# Altium PCB WordClock2.PcbDoc (part 1 of 3)
Units mil, origin at the board's own origin, x right, y up, seen from the top; angles counter-clockwise.
Board outline 10494.49 x 10494.49 mil, 2 copper layers (Top Layer, Bottom Layer), stack 61.811 mil thick; 527 components, 268 nets, 1646 pads, 74 vias.
Unrouted connection lines stored in the file: 1.
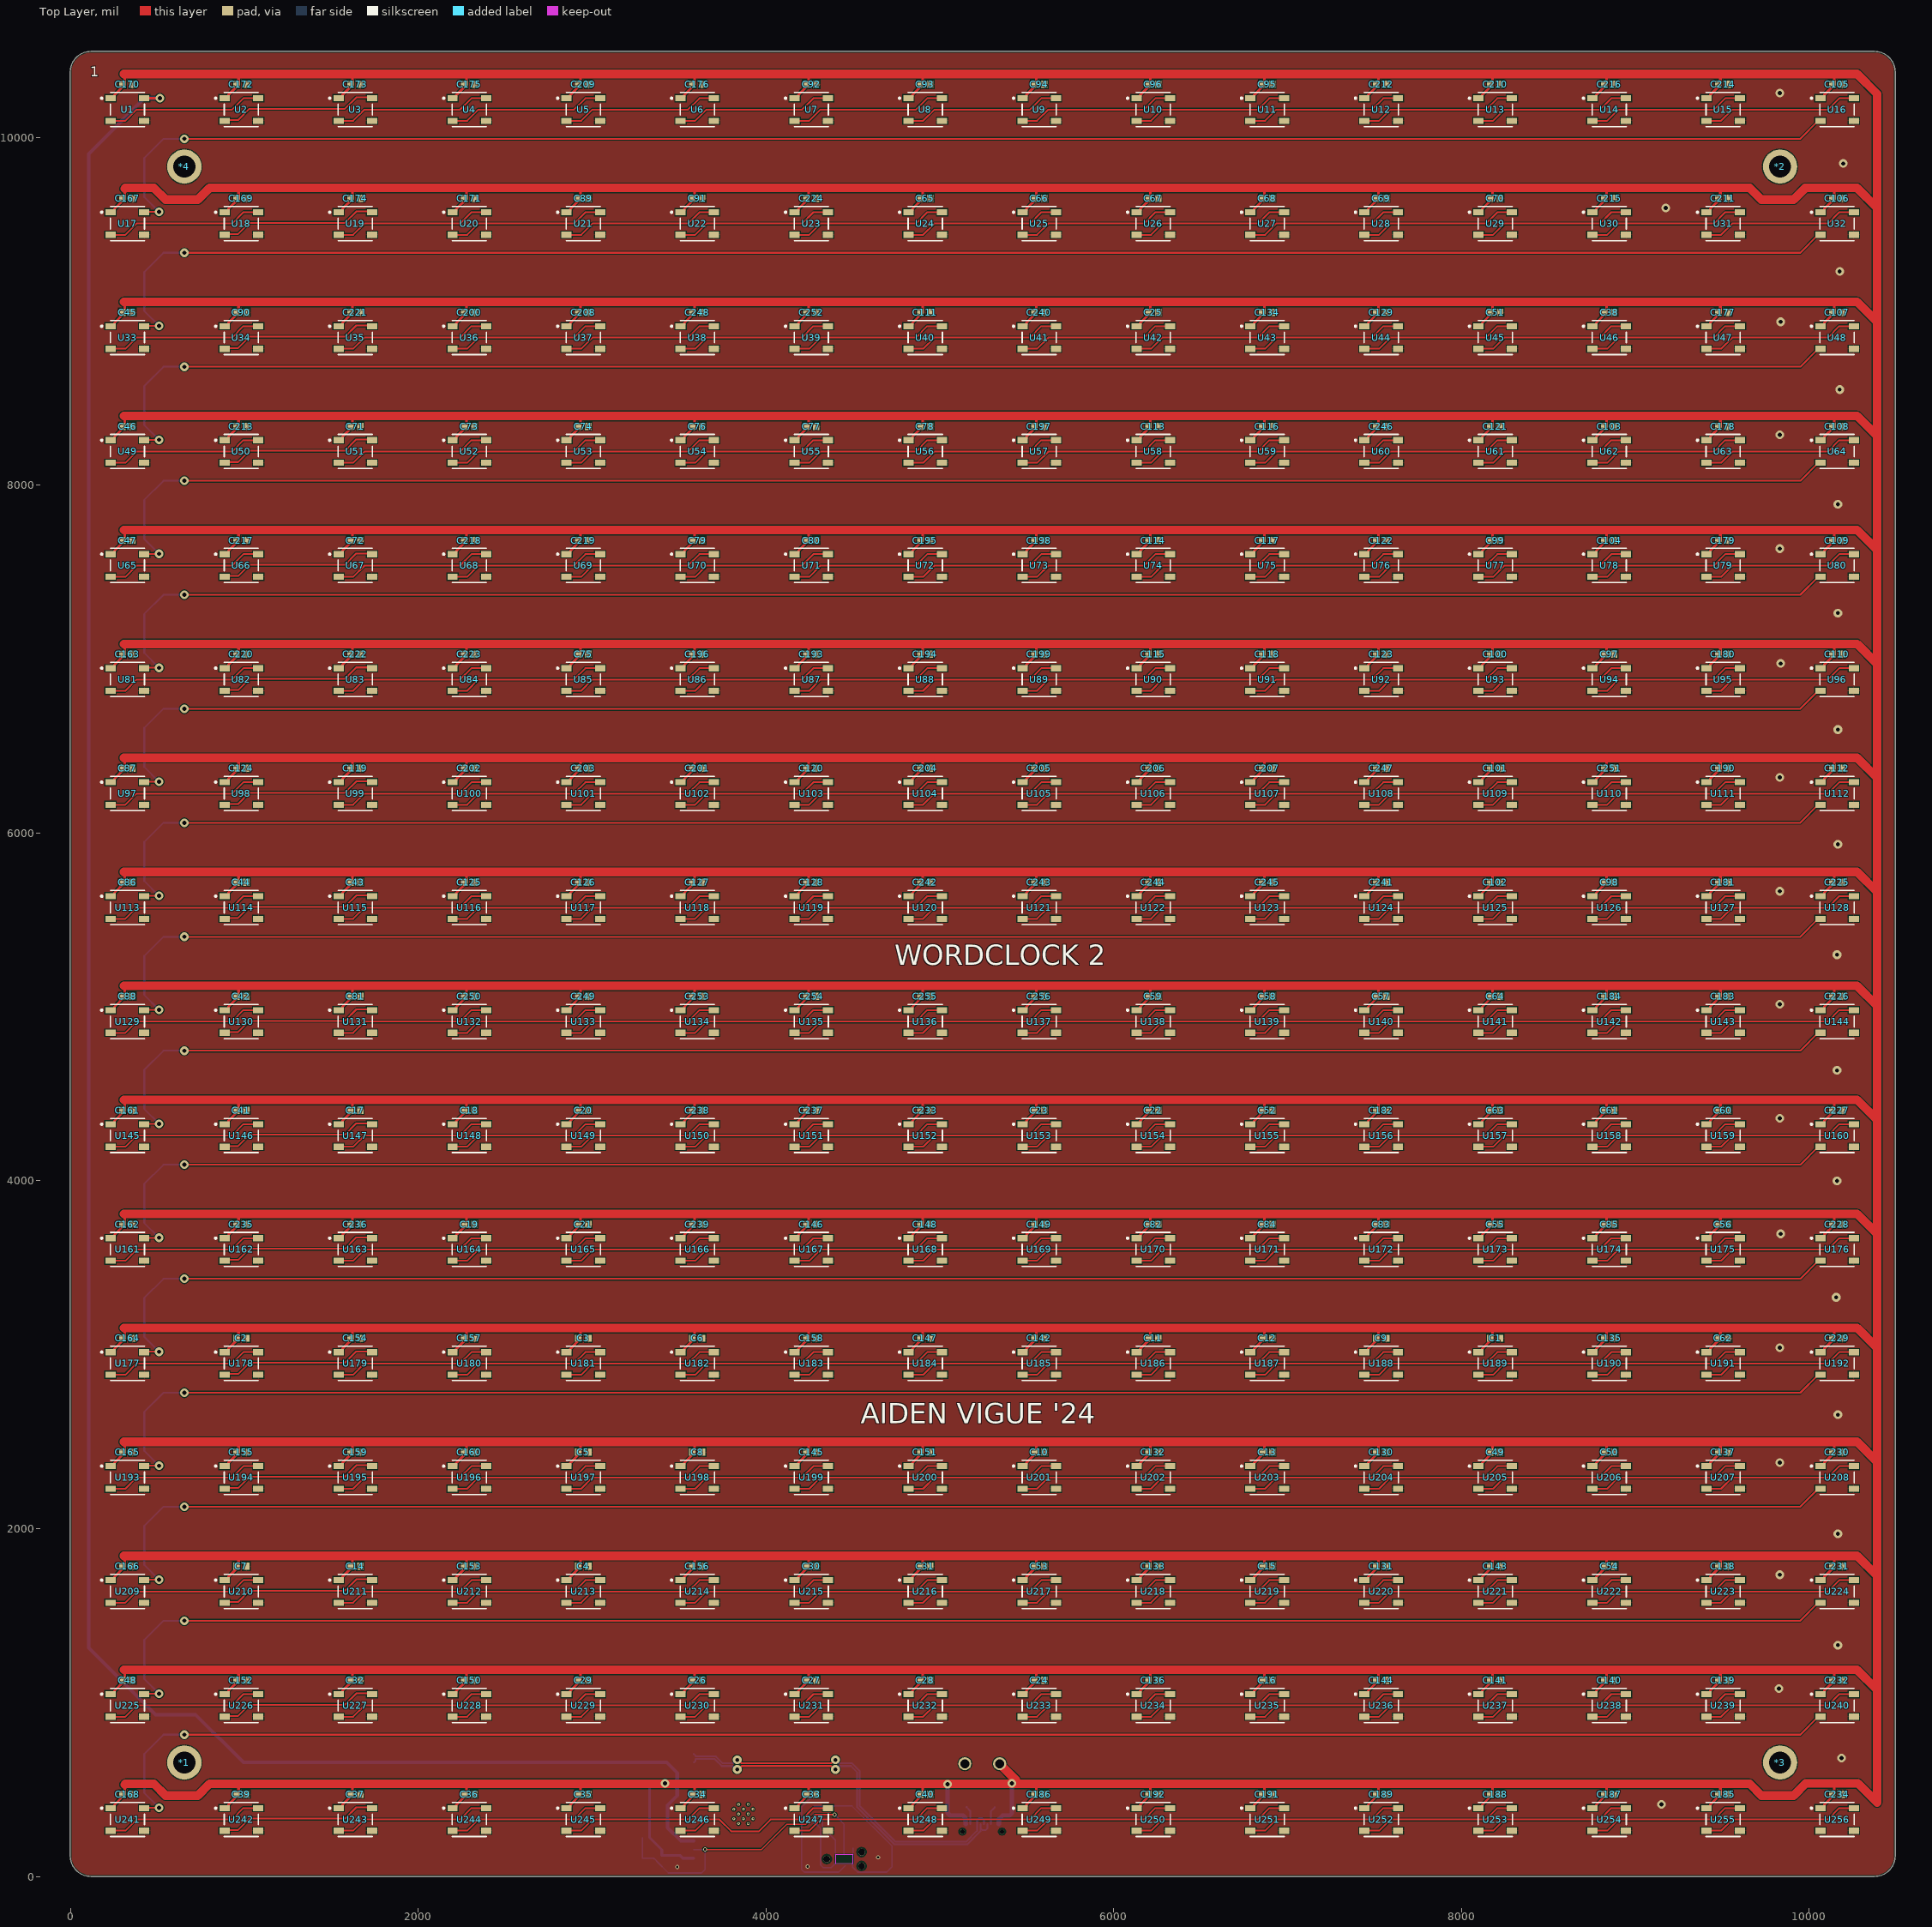
[diagram p0: Top Layer view]
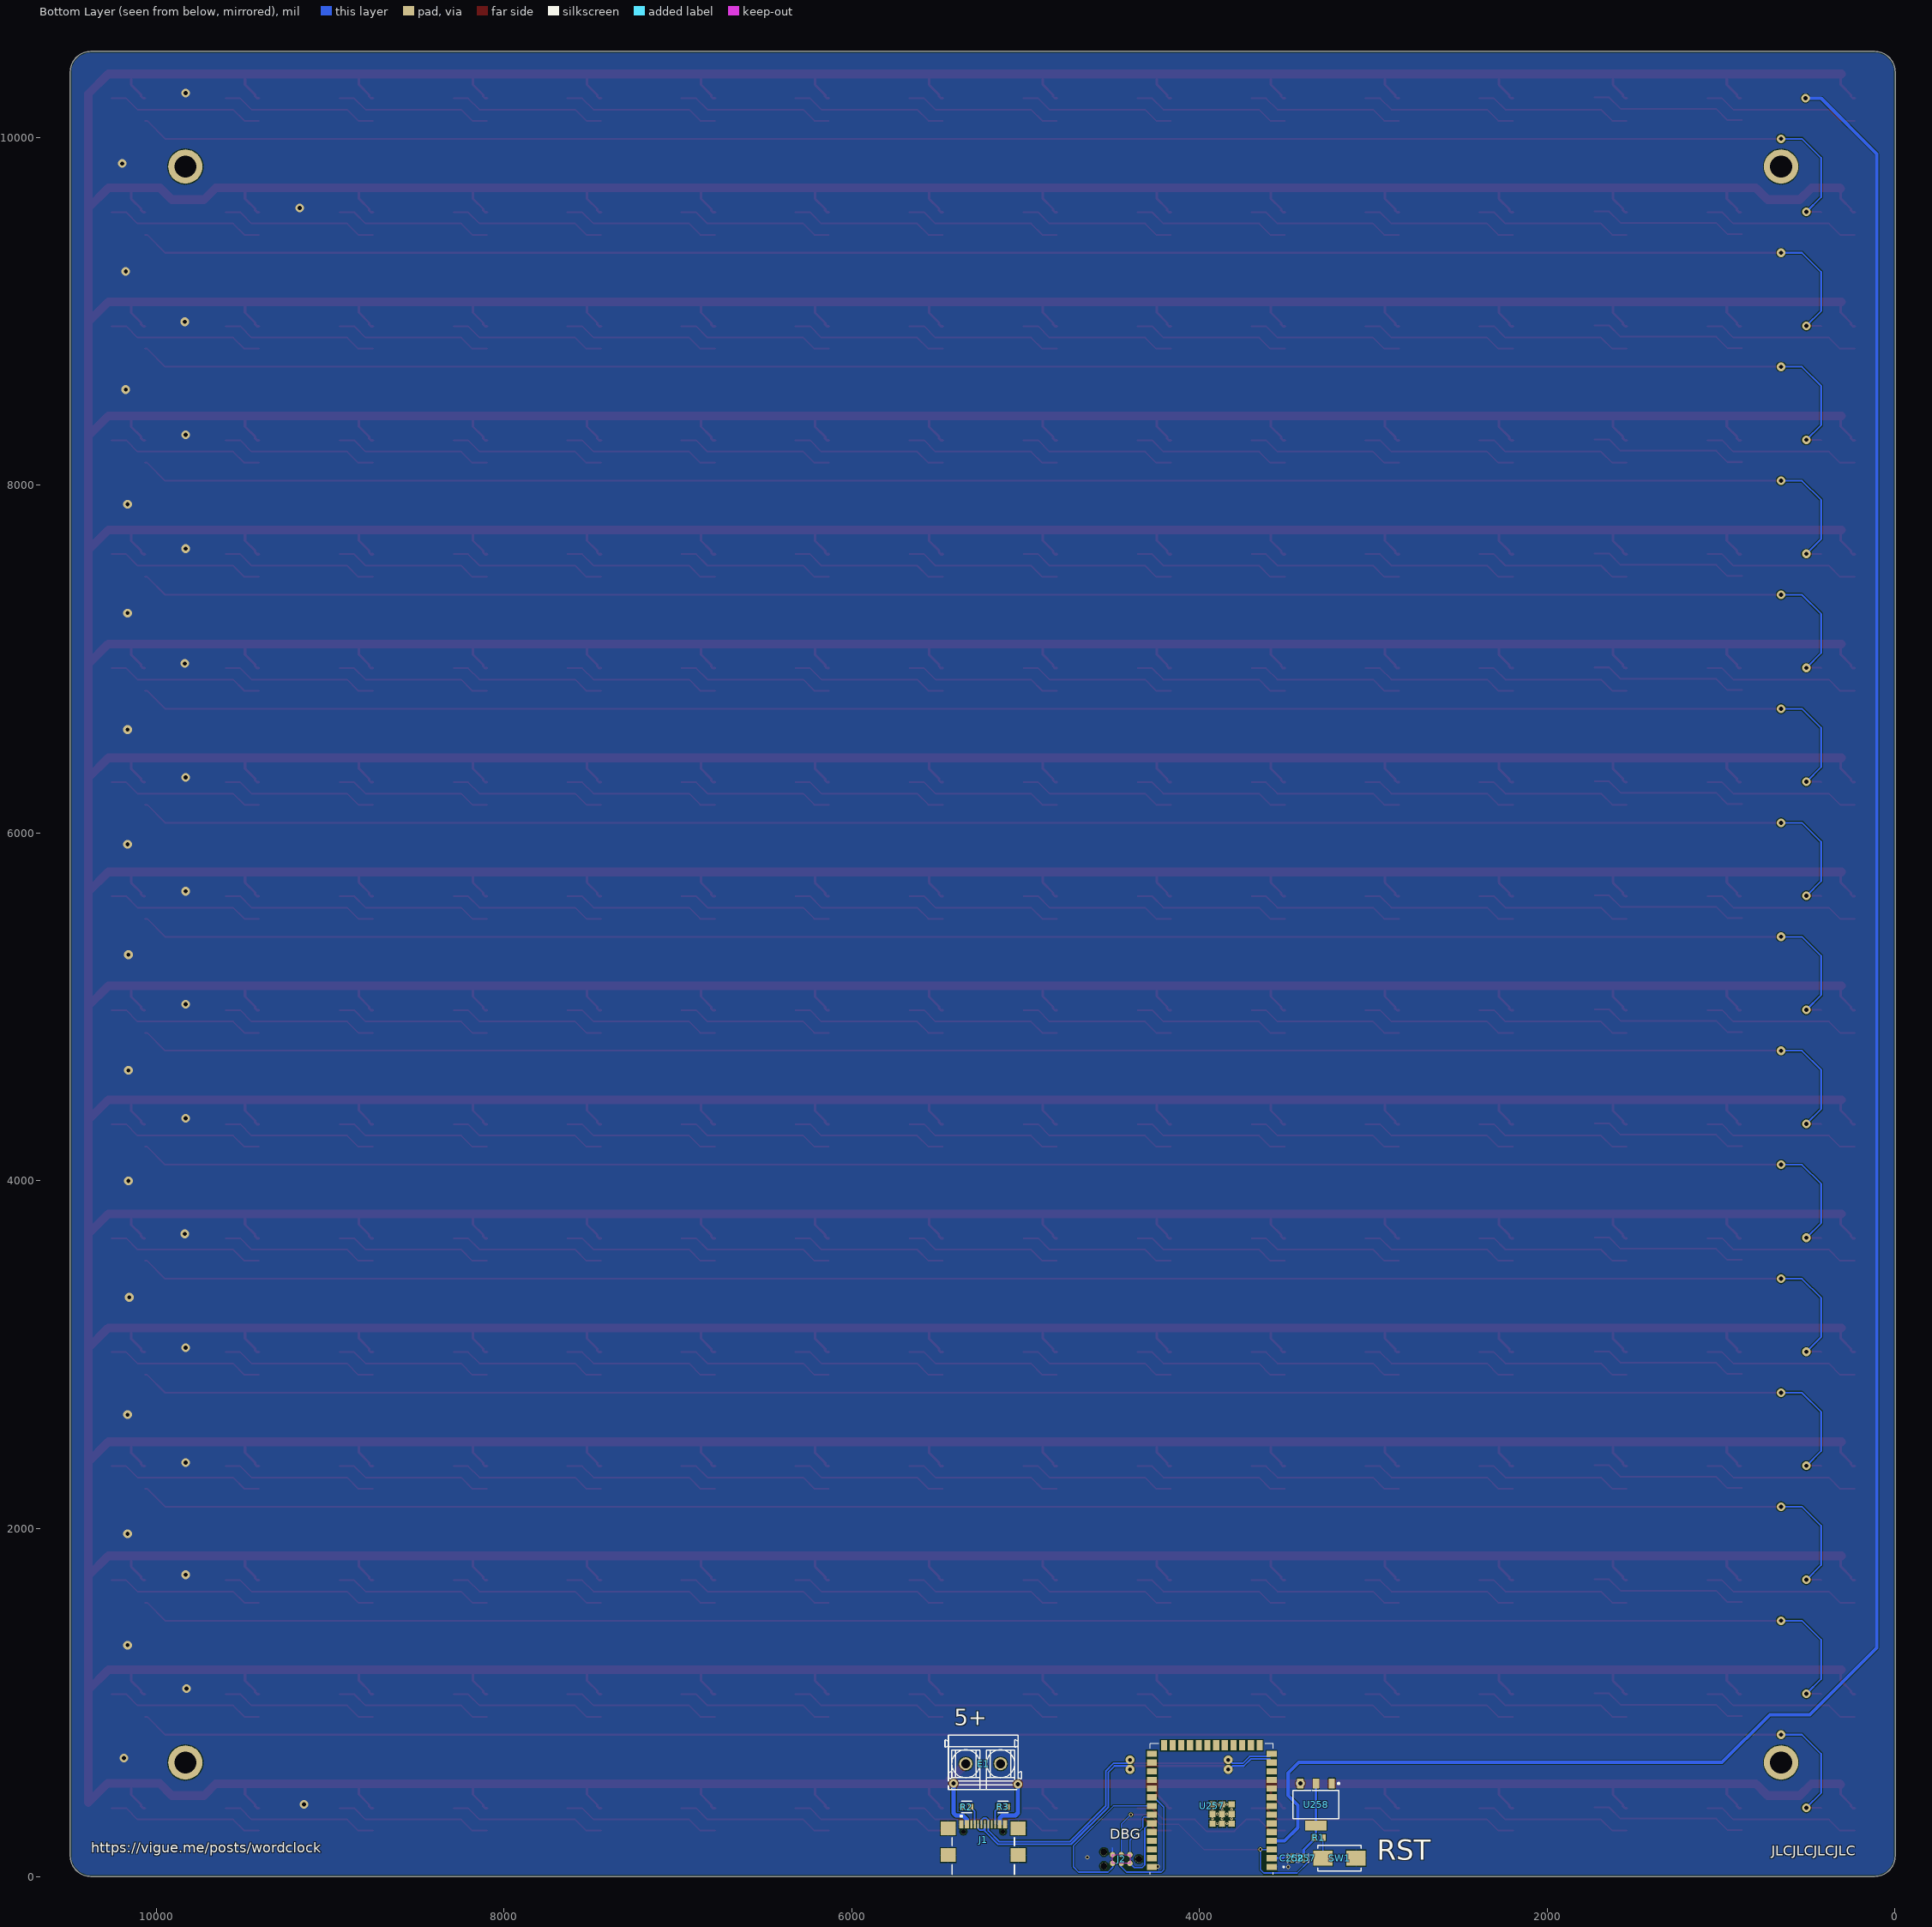
[diagram p1: Bottom Layer view, seen from below]
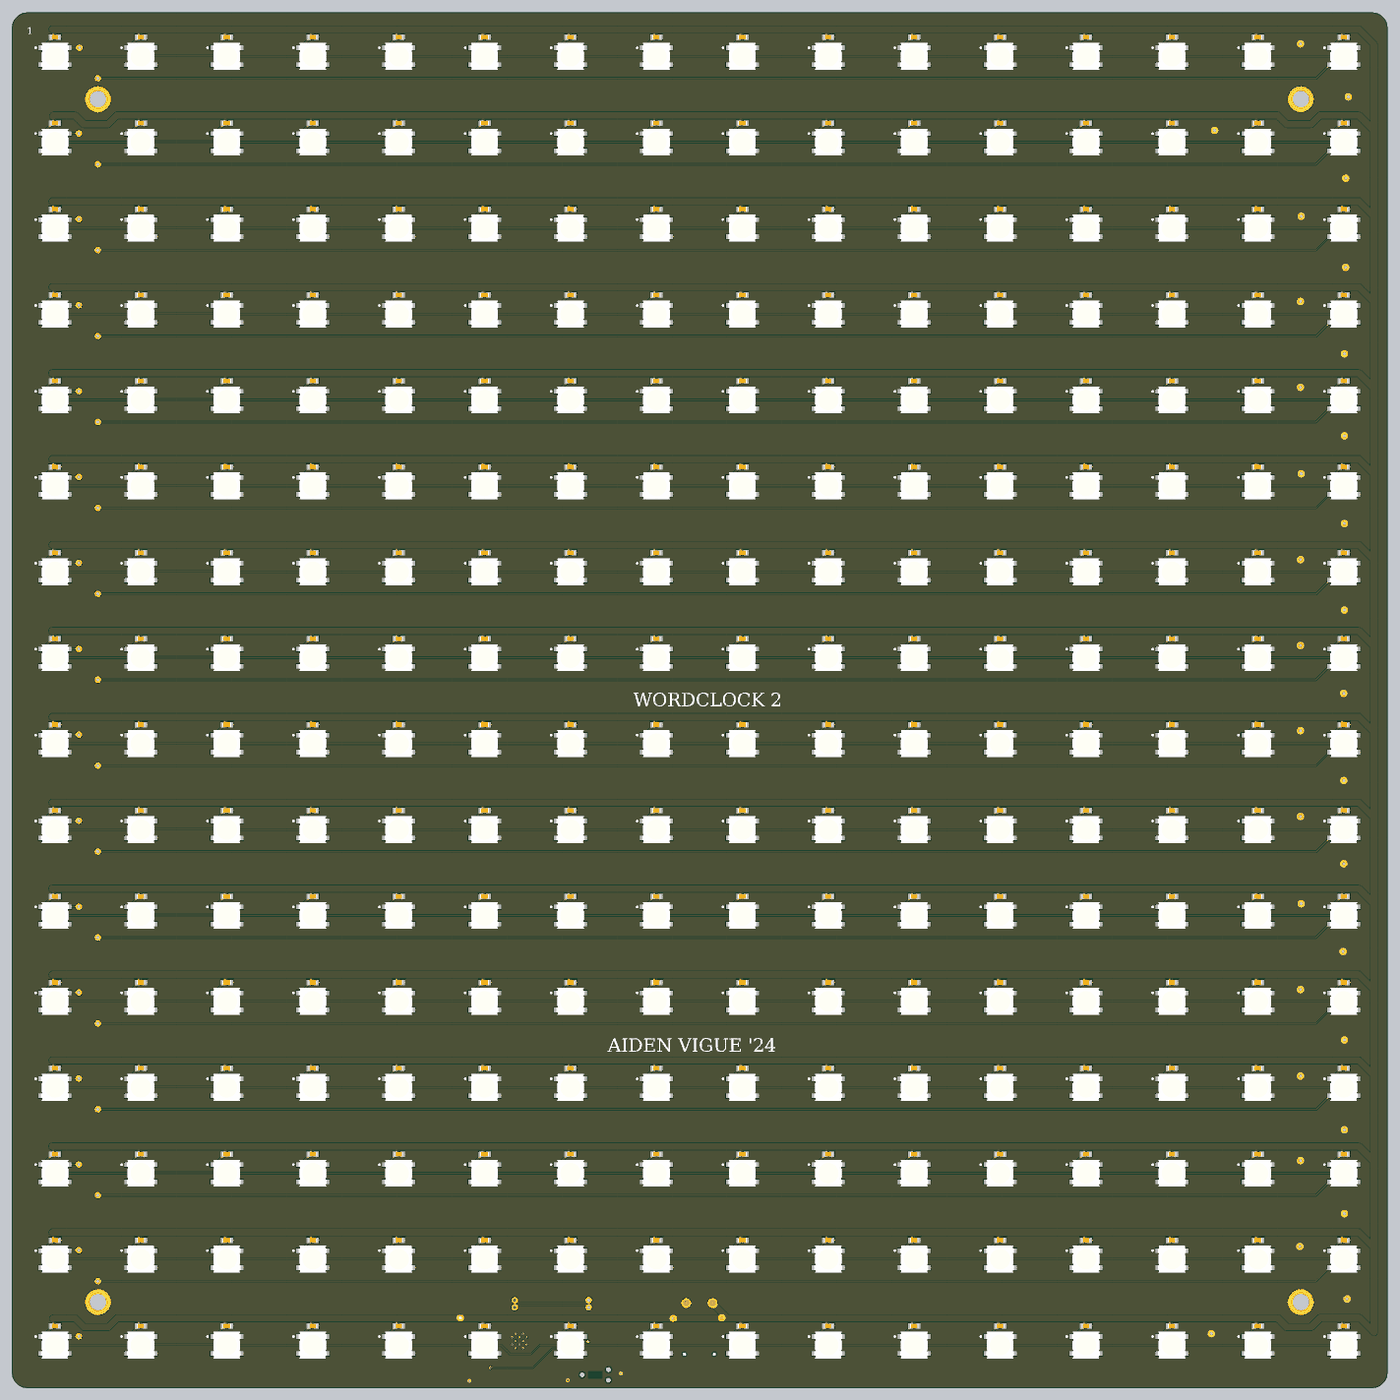
[diagram p4: 3D render of the assembled board from above, using the file's embedded part models]
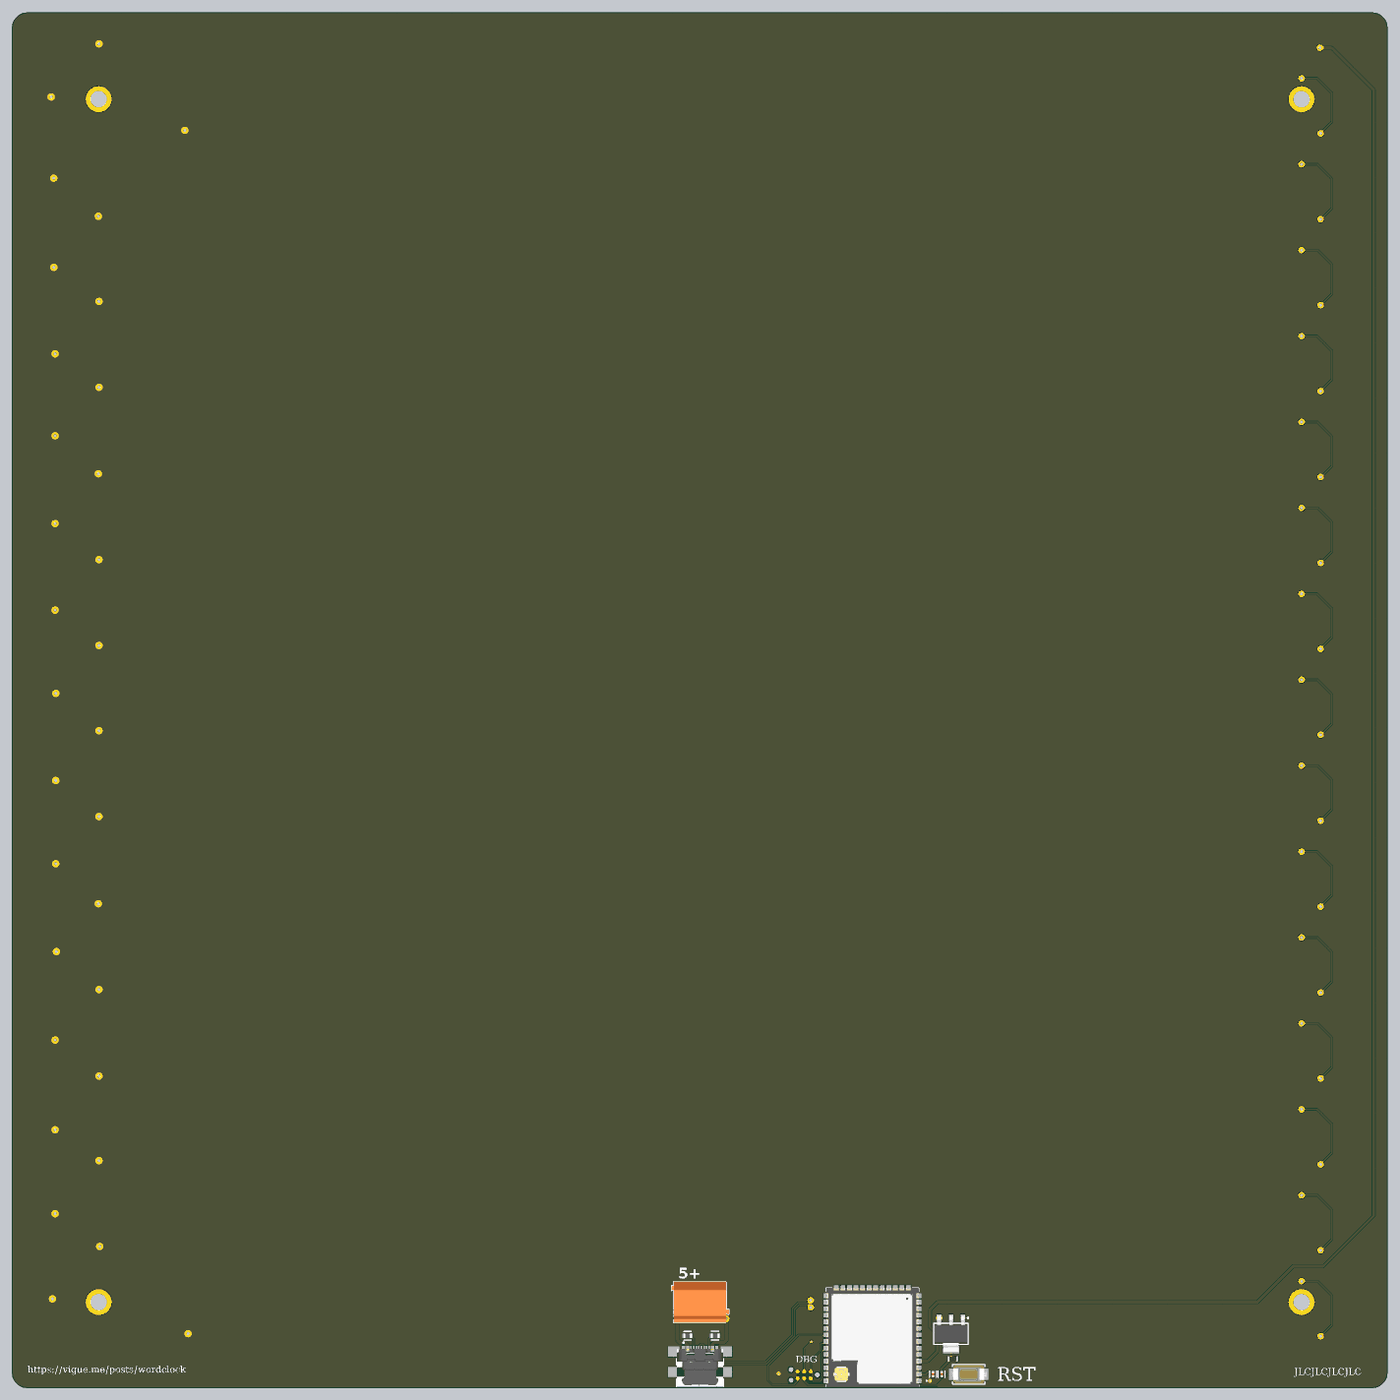
[diagram p5: 3D render of the assembled board from below, using the file's embedded part models]

## Layer stack, top to bottom
Top Solder: solder mask 0.5, Solder Resist, Dk 3.8
Top Layer: signal copper 1.378
Dielectric: core 59.0551, FR-4, Dk 4.5
Bottom Layer: signal copper 1.378
Bottom Solder: solder mask 0.5, Solder Resist, Dk 3.8

## Board outline
-0.49,118.11 -0.49,10376.38 cw(c117.62,10376.38) 117.62,10494.49 10375.89,10494.49 cw(c10375.89,10376.38) 10494,10376.38 10494,118.11 cw(c10375.89,118.11) 10375.89,0 117.62,0 cw(c117.62,118.11)

## Design rules (kind name [scope] priority, off if disabled: settings)
BoardOutlineClearance [All] p1: gap=7.87 ignorepadtopadclearanceinfootprint=FALSE
Clearance [All] p1: gap=5 ignorepadtopadclearanceinfootprint=FALSE except(9.84: Arc-Hole Track-Hole SMDPad-Hole THPad-Hole Via-Hole Fill-Hole Poly-Hole Region-Hole Text-Hole)
ComponentClearance [All] p1: gap=5 collisioncheckmode=3 verticalgap=5 showdistances=TRUE
DiffPairsRouting [All] p1: maxlimit=10 minlimit=5 mostfreqgap=5 toplayer_minwidth=5 toplayer_maxwidth=1000 toplayer_prefwidth=5 bottomlayer_minwidth=5 bottomlayer_maxwidth=1000 bottomlayer_prefwidth=5 maxuncoupledlength=500
Height [All] p1: minheight=0 maxheight=71497.94 prefheight=500
HoleSize [All] p1: absolutevalues=TRUE maxlimit=248.03 minlimit=11.81 maxpercent=80.000 minpercent=20.000
HoleToHoleClearance [All] p1: gap=9.84 allowstackedmicrovias=FALSE
MinimumAnnularRing [All] p1: minimumring=3
MinimumSolderMaskSliver [All] p1: minsoldermaskwidth=0
PlaneClearance [All] p1: clearance=5
PlaneConnect PlaneConnectPowerPads [InPadClass('PowerPads')] p1: planeconnectstyle=Direct reliefexpansion=20 reliefentries=4 reliefconductorwidth=10 reliefairgap=10
PlaneConnect [All] p2: pad.planeconnectstyle=Relief pad.reliefexpansion=11.81 pad.reliefentries=4 pad.reliefconductorwidth=5 pad.reliefairgap=5 via.planeconnectstyle=Direct via.reliefexpansion=11.81 via.reliefentries=4 via.reliefconductorwidth=5 via.reliefairgap=5
PolygonConnect PolygonConnectPowerPads [All vs (InPadClass('PowerPads'))] p1: connectstyle=Direct reliefconductorwidth=10 reliefentries=4 polygonreliefangle="90 Angle" airgapwidth=10
PolygonConnect [All] p2: thpad.connectstyle=Relief thpad.reliefconductorwidth=5 thpad.reliefentries=4 thpad.polygonreliefangle="90 Angle" thpad.airgapwidth=5 smdpad.connectstyle=Relief smdpad.reliefconductorwidth=5 smdpad.reliefentries=4 smdpad.polygonreliefangle="90 Angle" smdpad.airgapwidth=5 via.connectstyle=Direct via.reliefconductorwidth=5 via.reliefentries=4 via.polygonreliefangle="90 Angle" via.airgapwidth=5
RoutingVias [All] p1: holewidth=11.81 width=23.62 viastyle="Through Hole" minholewidth=11.81 minwidth=23.62 maxholewidth=23.62 maxwidth=259.84
SilkToSilkClearance [All] p1: silktosilkclearance=0
SilkToSolderMaskClearance [IsPad] p1: minsilkscreentomaskgap=5 clearancetoexposedcopper=TRUE
SolderMaskExpansion [All] p1: expansion=2.95 istentingtop=FALSE
Width [All] p1: maxlimit=1000 minlimit=5 preferedwidth=5 minimp=50.000000 maximp=50.000000 favimp=50.000000
20 further rules are at their usual default settings.

## Classes and differential pairs
differential pair USB: +USB_P -USB_N

## Components (designator, comment, footprint, x,y, rotation, side; value= is the part's Value field where it differs from the comment)
*1 "PTH-M3D5X5" PTH-M3D5X5-Footprint-1 655.51,655.51 r0 top
*2 "PTH-M3D5X5" PTH-M3D5X5-Footprint-1 9832.68,9832.68 r0 top
*3 "PTH-M3D5X5" PTH-M3D5X5-Footprint-1 9832.68,655.51 r0 top
*4 "PTH-M3D5X5" PTH-M3D5X5-Footprint-1 655.51,9832.68 r0 top
C1 "GRM188R71H104KA93D" CAPC1608X90X35ML10T15 8193.9,3094.8 r0 top
C2 "GRM188R71H104KA93D" CAPC1608X90X35ML10T15 983.27,3094.8 r0 top
C3 "GRM188R71H104KA93D" CAPC1608X90X35ML10T15 2949.8,3094.8 r0 top
C4 "GRM188R71H104KA93D" CAPC1608X90X35ML10T15 2949.8,1783.78 r0 top
C5 "GRM188R71H104KA93D" CAPC1608X90X35ML10T15 2949.8,2439.29 r0 top
C6 "GRM188R71H104KA93D" CAPC1608X90X35ML10T15 3605.31,3094.8 r0 top
C7 "GRM188R71H104KA93D" CAPC1608X90X35ML10T15 983.27,1783.78 r0 top
C8 "GRM188R71H104KA93D" CAPC1608X90X35ML10T15 3605.31,2439.29 r0 top
C9 "GRM188R71H104KA93D" CAPC1608X90X35ML10T15 7538.39,3094.8 r0 top
C10 "GRM188R71H104KA93D" CAPC1608X90X35ML10T15 5571.85,2439.29 r0 top
C11 "GRM188R71H104KA93D" CAPC1608X90X35ML10T15 6227.36,3094.8 r0 top
C12 "GRM188R71H104KA93D" CAPC1608X90X35ML10T15 6882.87,3094.8 r0 top
C13 "GRM188R71H104KA93D" CAPC1608X90X35ML10T15 6882.87,2439.29 r0 top
C14 "GRM188R71H104KA93D" CAPC1608X90X35ML10T15 1638.78,1783.78 r0 top
C15 "GRM188R71H104KA93D" CAPC1608X90X35ML10T15 6882.87,1783.78 r0 top
C16 "GRM188R71H104KA93D" CAPC1608X90X35ML10T15 6882.87,1128.27 r0 top
C17 "GRM188R71H104KA93D" CAPC1608X90X35ML10T15 1638.78,4405.83 r0 top
C18 "GRM188R71H104KA93D" CAPC1608X90X35ML10T15 2294.29,4405.83 r0 top
C19 "GRM188R71H104KA93D" CAPC1608X90X35ML10T15 2294.29,3750.32 r0 top
C20 "GRM188R71H104KA93D" CAPC1608X90X35ML10T15 2949.8,4405.83 r0 top
C21 "GRM188R71H104KA93D" CAPC1608X90X35ML10T15 2949.8,3750.32 r0 top
C22 "GRM188R71H104KA93D" CAPC1608X90X35ML10T15 6227.36,4405.83 r0 top
C23 "GRM188R71H104KA93D" CAPC1608X90X35ML10T15 5571.85,4405.83 r0 top
C24 "GRM188R71H104KA93D" CAPC1608X90X35ML10T15 5571.85,1128.27 r0 top
C25 "GRM188R71H104KA93D" CAPC1608X90X35ML10T15 6227.36,8994.41 r0 top
C26 "GRM188R71H104KA93D" CAPC1608X90X35ML10T15 3605.31,1128.27 r0 top
C27 "GRM188R71H104KA93D" CAPC1608X90X35ML10T15 4260.83,1128.27 r0 top
C28 "GRM188R71H104KA93D" CAPC1608X90X35ML10T15 4916.34,1128.27 r0 top
C29 "GRM188R71H104KA93D" CAPC1608X90X35ML10T15 2949.8,1128.27 r0 top
C30 "GRM188R71H104KA93D" CAPC1608X90X35ML10T15 4260.83,1783.78 r0 top
C31 "GRM188R71H104KA93D" CAPC1608X90X35ML10T15 4916.34,1783.78 r0 top
C32 "GRM188R71H104KA93D" CAPC1608X90X35ML10T15 1638.78,1128.27 r0 top
C33 "GRM188R71H104KA93D" CAPC1608X90X35ML10T15 4260.83,472.76 r0 top
C34 "GRM188R71H104KA93D" CAPC1608X90X35ML10T15 3605.31,472.76 r0 top
C35 "GRM188R71H104KA93D" CAPC1608X90X35ML10T15 2949.8,472.76 r0 top
C36 "GRM188R71H104KA93D" CAPC1608X90X35ML10T15 2294.29,472.76 r0 top
C37 "GRM188R71H104KA93D" CAPC1608X90X35ML10T15 1638.78,472.76 r0 top
C38 "GRM188R71H104KA93D" CAPC1608X90X35ML10T15 8849.41,8994.41 r0 top
C39 "GRM188R71H104KA93D" CAPC1608X90X35ML10T15 983.27,472.76 r0 top
C40 "GRM188R71H104KA93D" CAPC1608X90X35ML10T15 4916.34,472.76 r0 top
C41 "GRM188R71H104KA93D" CAPC1608X90X35ML10T15 983.27,4405.83 r0 top
C42 "GRM188R71H104KA93D" CAPC1608X90X35ML10T15 983.27,5061.34 r0 top
C43 "GRM188R71H104KA93D" CAPC1608X90X35ML10T15 1638.78,5716.85 r0 top
C44 "GRM188R71H104KA93D" CAPC1608X90X35ML10T15 983.27,5716.85 r0 top
C45 "GRM188R71H104KA93D" CAPC1608X90X35ML10T15 327.76,8994.41 r0 top
C46 "GRM188R71H104KA93D" CAPC1608X90X35ML10T15 327.76,8338.9 r0 top
C47 "GRM188R71H104KA93D" CAPC1608X90X35ML10T15 327.76,7683.39 r0 top
C48 "GRM188R71H104KA93D" CAPC1608X90X35ML10T15 327.76,1128.27 r0 top
C49 "GRM188R71H104KA93D" CAPC1608X90X35ML10T15 8193.9,2439.29 r0 top
C50 "GRM188R71H104KA93D" CAPC1608X90X35ML10T15 8849.41,2439.29 r0 top
C51 "GRM188R71H104KA93D" CAPC1608X90X35ML10T15 8193.9,8994.41 r0 top
C52 "GRM188R71H104KA93D" CAPC1608X90X35ML10T15 6882.87,4405.83 r0 top
C53 "GRM188R71H104KA93D" CAPC1608X90X35ML10T15 5571.85,1783.78 r0 top
C54 "GRM188R71H104KA93D" CAPC1608X90X35ML10T15 8849.41,1783.78 r0 top
C55 "GRM188R71H104KA93D" CAPC1608X90X35ML10T15 8193.9,3750.32 r0 top
C56 "GRM188R71H104KA93D" CAPC1608X90X35ML10T15 9504.92,3750.32 r0 top
C57 "GRM188R71H104KA93D" CAPC1608X90X35ML10T15 7538.39,5061.34 r0 top
C58 "GRM188R71H104KA93D" CAPC1608X90X35ML10T15 6882.87,5061.34 r0 top
C59 "GRM188R71H104KA93D" CAPC1608X90X35ML10T15 6227.36,5061.34 r0 top
C60 "GRM188R71H104KA93D" CAPC1608X90X35ML10T15 9504.92,4405.83 r0 top
C61 "GRM188R71H104KA93D" CAPC1608X90X35ML10T15 8849.41,4405.83 r0 top
C62 "GRM188R71H104KA93D" CAPC1608X90X35ML10T15 9504.92,3094.8 r0 top
C63 "GRM188R71H104KA93D" CAPC1608X90X35ML10T15 8193.9,4405.83 r0 top
C64 "GRM188R71H104KA93D" CAPC1608X90X35ML10T15 8193.9,5061.34 r0 top
C65 "GRM188R71H104KA93D" CAPC1608X90X35ML10T15 4916.34,9649.92 r0 top
C66 "GRM188R71H104KA93D" CAPC1608X90X35ML10T15 5571.85,9649.92 r0 top
C67 "GRM188R71H104KA93D" CAPC1608X90X35ML10T15 6227.36,9649.92 r0 top
C68 "GRM188R71H104KA93D" CAPC1608X90X35ML10T15 6882.87,9649.92 r0 top
C69 "GRM188R71H104KA93D" CAPC1608X90X35ML10T15 7538.39,9649.92 r0 top
C70 "GRM188R71H104KA93D" CAPC1608X90X35ML10T15 8193.9,9649.92 r0 top
C71 "GRM188R71H104KA93D" CAPC1608X90X35ML10T15 1638.78,8338.9 r0 top
C72 "GRM188R71H104KA93D" CAPC1608X90X35ML10T15 1638.78,7683.39 r0 top
C73 "GRM188R71H104KA93D" CAPC1608X90X35ML10T15 2294.29,8338.9 r0 top
C74 "GRM188R71H104KA93D" CAPC1608X90X35ML10T15 2949.8,8338.9 r0 top
C75 "GRM188R71H104KA93D" CAPC1608X90X35ML10T15 2949.8,7027.87 r0 top
C76 "GRM188R71H104KA93D" CAPC1608X90X35ML10T15 3605.31,8338.9 r0 top
C77 "GRM188R71H104KA93D" CAPC1608X90X35ML10T15 4260.83,8338.9 r0 top
C78 "GRM188R71H104KA93D" CAPC1608X90X35ML10T15 4916.34,8338.9 r0 top
C79 "GRM188R71H104KA93D" CAPC1608X90X35ML10T15 3605.31,7683.39 r0 top
C80 "GRM188R71H104KA93D" CAPC1608X90X35ML10T15 4260.83,7683.39 r0 top
C81 "GRM188R71H104KA93D" CAPC1608X90X35ML10T15 1638.78,5061.34 r0 top
C82 "GRM188R71H104KA93D" CAPC1608X90X35ML10T15 6227.36,3750.32 r0 top
C83 "GRM188R71H104KA93D" CAPC1608X90X35ML10T15 7538.39,3750.32 r0 top
C84 "GRM188R71H104KA93D" CAPC1608X90X35ML10T15 6882.87,3750.32 r0 top
C85 "GRM188R71H104KA93D" CAPC1608X90X35ML10T15 8849.41,3750.32 r0 top
C86 "GRM188R71H104KA93D" CAPC1608X90X35ML10T15 327.76,5716.85 r0 top
C87 "GRM188R71H104KA93D" CAPC1608X90X35ML10T15 327.76,6372.36 r0 top
C88 "GRM188R71H104KA93D" CAPC1608X90X35ML10T15 327.76,5061.34 r0 top
C89 "GRM188R71H104KA93D" CAPC1608X90X35ML10T15 2949.8,9649.92 r0 top
C90 "GRM188R71H104KA93D" CAPC1608X90X35ML10T15 983.27,8994.41 r0 top
C91 "GRM188R71H104KA93D" CAPC1608X90X35ML10T15 3605.31,9649.92 r0 top
C92 "GRM188R71H104KA93D" CAPC1608X90X35ML10T15 4260.83,10305.43 r0 top
C93 "GRM188R71H104KA93D" CAPC1608X90X35ML10T15 4916.34,10305.43 r0 top
C94 "GRM188R71H104KA93D" CAPC1608X90X35ML10T15 5571.85,10305.43 r0 top
C95 "GRM188R71H104KA93D" CAPC1608X90X35ML10T15 6882.87,10305.43 r0 top
C96 "GRM188R71H104KA93D" CAPC1608X90X35ML10T15 6227.36,10305.43 r0 top
C97 "GRM188R71H104KA93D" CAPC1608X90X35ML10T15 8849.41,7027.87 r0 top
C98 "GRM188R71H104KA93D" CAPC1608X90X35ML10T15 8849.41,5716.85 r0 top
C99 "GRM188R71H104KA93D" CAPC1608X90X35ML10T15 8193.9,7683.39 r0 top
C100 "GRM188R71H104KA93D" CAPC1608X90X35ML10T15 8193.9,7027.87 r0 top
C101 "GRM188R71H104KA93D" CAPC1608X90X35ML10T15 8193.9,6372.36 r0 top
C102 "GRM188R71H104KA93D" CAPC1608X90X35ML10T15 8193.9,5716.85 r0 top
C103 "GRM188R71H104KA93D" CAPC1608X90X35ML10T15 8849.41,8338.9 r0 top
C104 "GRM188R71H104KA93D" CAPC1608X90X35ML10T15 8849.41,7683.39 r0 top
C105 "GRM188R71H104KA93D" CAPC1608X90X35ML10T15 10160.43,10305.43 r0 top